# Altium PCB AD9434-500.PcbDoc (part 1 of 2) (continued)
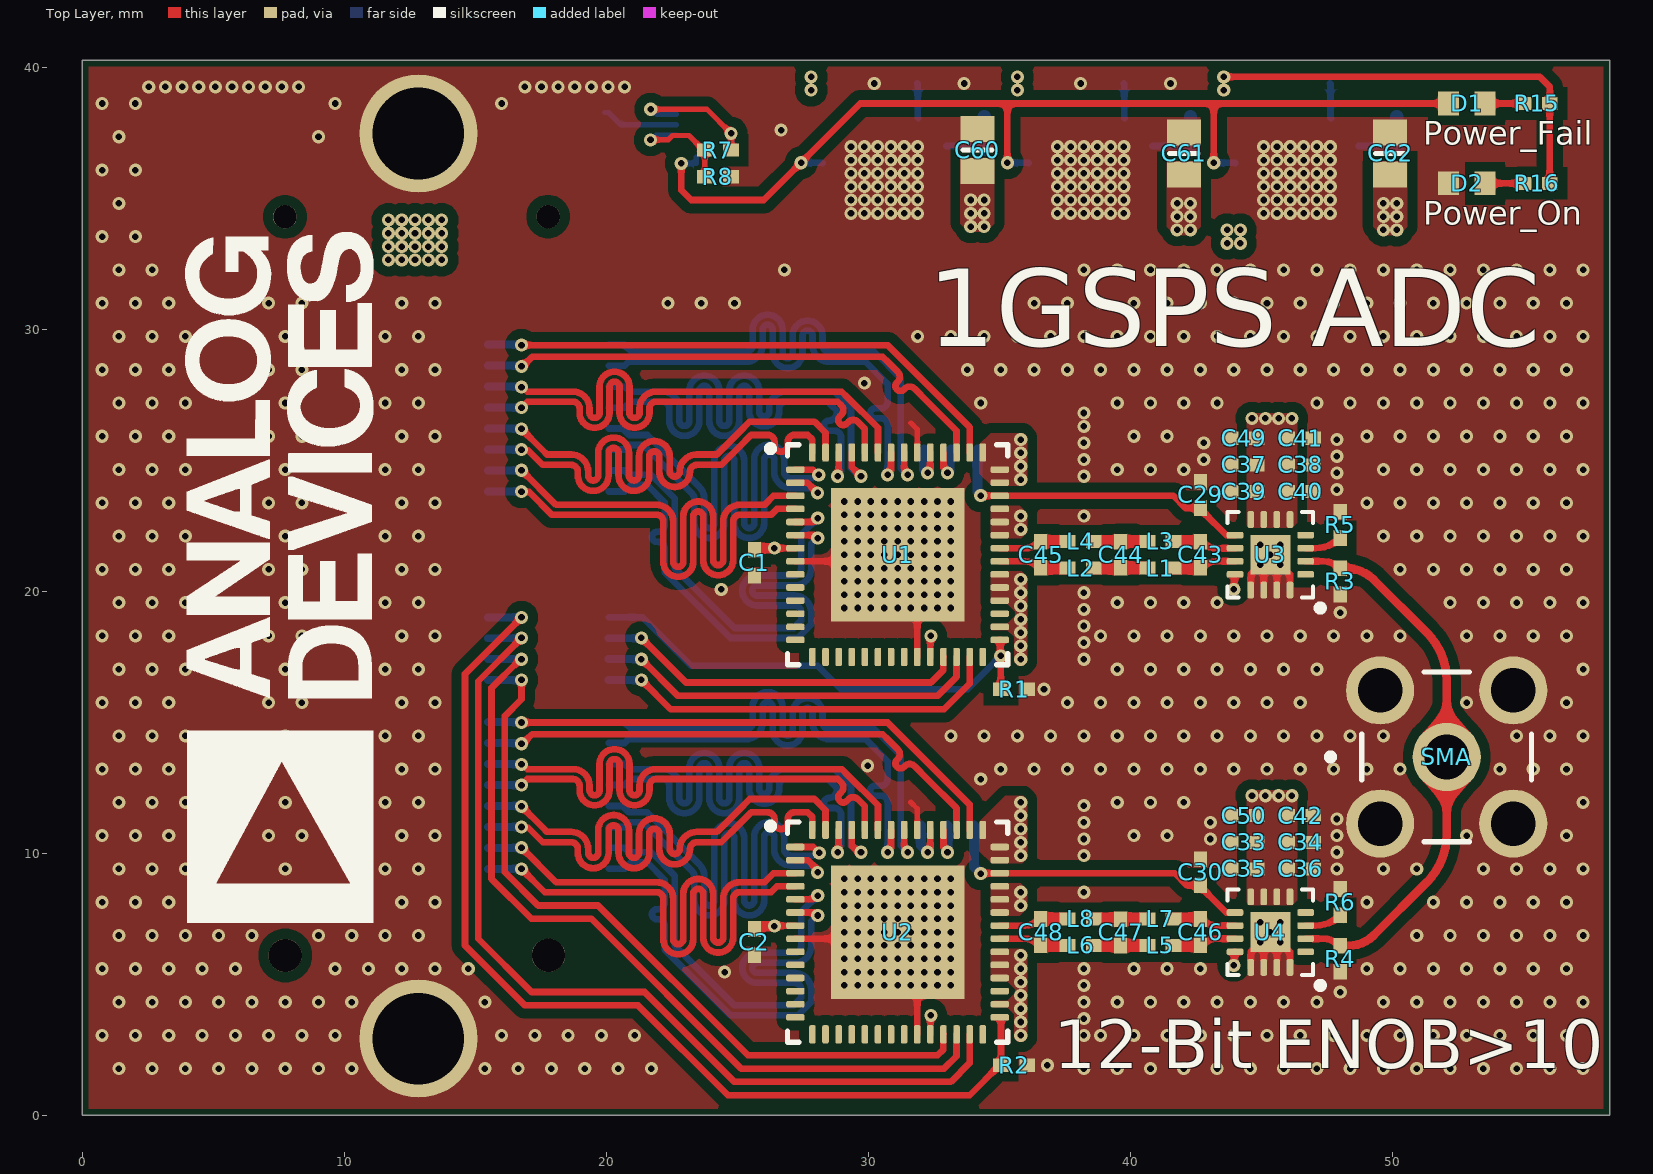
[diagram p0: Top Layer view]
## Footprints (in the part's own frame and the unit in brackets; to place one, negate y for a bottom-side part, rotate by r counter-clockwise, add the part's x,y. Pads: shape width x height; smd on the part's side, far side on the other; paste and mask are expansions set on the pad)
6-0805_L [mm] "Chip Resistor, Body 2.0x1.2mm, IPC High Density"
  rect 1x1.3 smd: 1(-0.8,0) 2(0.8,0)
  silkscreen extent 0,-0.55 0,0.55, body extent -1.07,-0.7 1.07,0.7, height 0.7
0402 [mm] "Chip Capacitor, Body 1.0x0.5mm, IPC High Density"
  rect 0.6x0.5 smd: 1(-0.5,0) 2(0.5,0)
  body extent -0.55,-0.3 0.55,0.3, height 1.3
1608[0603] [mm] "Chip Capacitor, Body 1.6x0.8mm, IPC High Density"
  rect 0.8x0.9 smd: 1(-0.7,0) 2(0.7,0)
  body extent -0.87,-0.48 0.87,0.48, height 1.3
CONN_5177984-2_TYC [mil]
  rect 12x60 smd: 1(0,-3.94) 2(31.5,-3.94) 3(62.99,-3.94) 4(94.49,-3.94) 5(125.98,-3.94) 6(157.48,-3.94) 7(188.98,-3.94) 8(220.47,-3.94) 9(251.97,-3.94) 10(283.46,-3.94) 11(314.96,-3.94) 12(346.46,-3.94) 13(377.95,-3.94) 14(409.45,-3.94) 15(440.94,-3.94) 16(472.44,-3.94) 17(503.94,-3.94) 18(535.43,-3.94) 19(566.93,-3.94) 20(598.43,-3.94) 21(629.92,-3.94) 22(661.42,-3.94) 23(692.91,-3.94) 24(724.41,-3.94) 25(755.91,-3.94) 26(787.4,-3.94) 27(818.9,-3.94) 28(850.39,-3.94) 29(881.89,-3.94) 30(913.39,-3.94) 31(0,177.17) 32(31.5,177.17) 33(62.99,177.17) 34(94.49,177.17) 35(125.98,177.17) 36(157.48,177.17) 37(188.98,177.17) 38(220.47,177.17) 39(251.97,177.17) 40(283.46,177.17) 41(314.96,177.17) 42(346.46,177.17) 43(377.95,177.17) 44(409.45,177.17) 45(440.94,177.17) 46(472.44,177.17) 47(503.94,177.17) 48(535.43,177.17) 49(566.93,177.17) 50(598.43,177.17) 51(629.92,177.17) 52(661.42,177.17) 53(692.91,177.17) 54(724.41,177.17) 55(755.91,177.17) 56(787.4,177.17) 57(818.9,177.17) 58(850.39,177.17) 59(881.89,177.17) 60(913.39,177.17)
  round 35 hole 35 unplated mask+4: 61(-98,87)
  round 50 hole 50 unplated mask+4: 62(1011.69,86.61)
  silkscreen extent -135,-36 1048,210, body extent -130,-31 1043,205, height 182
CP-56-5_L [mm] "QFN, 56-Leads, Body 8x8mm, Pitch 0.5mm, Thermal Pad 5x5mm, IPC High Density"
  rrect50% 0.7x0.25 smd mask+0.051: 1(-3.9,3.25) 2(-3.9,2.75) 3(-3.9,2.25) 4(-3.9,1.75) 5(-3.9,1.25) 6(-3.9,0.75) 7(-3.9,0.25) 8(-3.9,-0.25) 9(-3.9,-0.75) 10(-3.9,-1.25) 11(-3.9,-1.75) 12(-3.9,-2.25) 13(-3.9,-2.75) 14(-3.9,-3.25) 29(3.9,-3.25) 30(3.9,-2.75) 31(3.9,-2.25) 32(3.9,-1.75) 33(3.9,-1.25) 34(3.9,-0.75) 35(3.9,-0.25) 36(3.9,0.25) 37(3.9,0.75) 38(3.9,1.25) 39(3.9,1.75) 40(3.9,2.25) 41(3.9,2.75) 42(3.9,3.25)
  rrect50% 0.25x0.7 smd mask+0.051: 15(-3.25,-3.9) 16(-2.75,-3.9) 17(-2.25,-3.9) 18(-1.75,-3.9) 19(-1.25,-3.9) 20(-0.75,-3.9) 21(-0.25,-3.9) 22(0.25,-3.9) 23(0.75,-3.9) 24(1.25,-3.9) 25(1.75,-3.9) 26(2.25,-3.9) 27(2.75,-3.9) 28(3.25,-3.9) 43(3.25,3.9) 44(2.75,3.9) 45(2.25,3.9) 46(1.75,3.9) 47(1.25,3.9) 48(0.75,3.9) 49(0.25,3.9) 50(-0.25,3.9) 51(-0.75,3.9) 52(-1.25,3.9) 53(-1.75,3.9) 54(-2.25,3.9) 55(-2.75,3.9) 56(-3.25,3.9)
  rect 5.1x5.1 smd mask+0.051: 57(0,0)
  silkscreen extent -4.97,-4.2 4.2,4.2, body extent -4.05,-4.05 4.05,4.05, height 1
CP_16_2_ADI-L [mil]
  rrect50% 25x10 smd paste+0 mask+0: 1(-53,29.53) 2(-53,9.84) 3(-53,-9.84) 4(-53,-29.53) 9(53,-29.53) 10(53,-9.84) 11(53,9.84) 12(53,29.53)
  rrect50% 10x25 smd paste+0 mask+0: 5(-29.53,-53) 6(-9.84,-53) 7(9.84,-53) 8(29.53,-53) 13(29.53,53) 14(9.84,53) 15(-9.84,53) 16(-29.53,53)
  rect 60x60 smd paste+0 mask+0: 17(0,0)
  silkscreen extent -80,-64 64,85, body extent -59,-59 59,59, height 39
FP-1053354-1-MFG [mm]
  round 2.6 hole 1.7 paste-1000 mask+0: 1(0,0) 2(-2.54,2.54) 3(2.54,2.54) 4(-2.54,-2.54) 5(2.54,-2.54)
  silkscreen extent -4.56,-3.24 3.24,3.24, body extent -3.94,-3.94 3.94,3.94, height 0.25
MPM3810GQB33Z [mm]
  rect 1.05x0.2 smd: 1(-1.025,0.7) 2(-1.025,0.3) 7(1.025,0.3) 8(1.025,0.7)
  rect 0.5x0.25 smd: 3(-1.3,-0.35) 4(-1.3,-1) 5(1.3,-1) 6(1.3,-0.35)
  rect 0.2x0.7 smd: 9(0.6,1.45) 10(0.2,1.45) 11(-0.2,1.45) 12(-0.6,1.45)
  rect 0.55x1.2 smd: 13(-0.775,-0.675) 14(0.775,-0.675)
  silkscreen extent -1.8,-1.5 1.25,1.5, body extent -1.25,-1.5 1.25,1.5, height 1.1
QFN65P500X500X100-21N [mm]
  rrect25% 0.85x0.34 smd: 1(-2.36,1.3) 2(-2.36,0.65) 3(-2.36,0) 4(-2.36,-0.65) 5(-2.36,-1.3) 11(2.36,-1.3) 12(2.36,-0.65) 13(2.36,0) 14(2.36,0.65) 15(2.36,1.3)
  rrect25% 0.34x0.85 smd: 6(-1.3,-2.36) 7(-0.65,-2.36) 8(0,-2.36) 9(0.65,-2.36) 10(1.3,-2.36) 16(1.3,2.36) 17(0.65,2.36) 18(0,2.36) 19(-0.65,2.36) 20(-1.3,2.36)
  rect 3.15x3.15 smd paste-3: 21(0,0)
  silkscreen extent -3.02,-2.5 2.5,2.5, body extent -2.5,-2.5 2.5,2.5, height 1

## Part data
C1 C2 C3 C4 C5 C6 C7 C8 C9 C10 C11 C12 C13 C14 C15 C16 C17 C18 C19 C20 C21 C22 C23 C24 C25 C26 C27 C28 C29 C30 C31 C32 C33 C34 C35 C36 C37 C38 C39 C40 C41 C42 C43 C44 C45 C46 C47 C48 C49 C50 C51 C52 C53 C54 C55 C56 C57 C58 C59 C60 C61 C62 C63 C64 C65 C66 C67 C68: library part CAP, "Capacitor", LatestRevisionDate=17-Jul-2002, LatestRevisionNote="Re-released for DXP Platform.", PackageReference=RAD-0.3, Published=8-Jun-2000, Publisher="Altium Limited"
D1 D2: library part LED0, "Typical INFRARED GaAs LED", LatestRevisionDate=08-Jul-2005, LatestRevisionNote="Mech Layer 1 removed.", PackageDescription="LED; 2 Leads", PackageReference=LED-0, Published=8-Jun-2000, Publisher="Altium Limited"
J1 J2: "No Description Available", Mfr_Name="TE Connectivity", Copyright="Copyright (C) 2022 Ultra Librarian. All rights reserved.", Manufacturer_Part_Number=5177984-2, RefDes=RefDes, Type=DEV
L1 L2 L3 L4 L5 L6 L7 L8: library part FB, "磁珠"
R1 R2 R3 R4 R5 R6 R7 R8 R9 R10 R11 R12 R13 R14 R15 R16: library part RES, "Resistor", Published=8-Jun-2000, Publisher="Altium Limited", Revision="July-2002: Re-released for DXP Platform."
SMA: library part CMP-2000-05830-2, "CONN SMA JACK STR 50 OHM PCB", Case/Package=SMA, Dielectric Material=PTFE, Frequency=18GHz, Housing Color=Gold, Max Frequency=12.4GHz, Operating Frequency=N/A, Package Quantity=125, Body Material="Stainless Steel", Body Plating=Gold, Center Contact Plating=Gold, Connector Type=SMA, Contact Material=Copper, Contact Plating=Gold, Depth=6.3mm, Fastening Type=Threaded, Gender=Female, Height=9.5mm, Impedance=50R, Insulation Material=Polytetrafluoroethylene, Length=9.53mm, Mating Cycles=500, Mount="Through Hole", Number of Ports=1, Orientation=Straight, Packaging=Bag, PCB Mounting Orientation=Vertical, Plating=Gold, Polarity=Normal, Radiation Hardening=No, REACH SVHC="No SVHC", RoHS Compliant=Yes, Series=SMA, Termination=Solder
U1 U2: library part CMP-0313-02358-2, "Single 12-Bit Analog-to-Digital Converter with Parallel Interface, 1.8 V, 500MSPS, -40 to +85 degC, CP-56-5, Pb-Free, Tray", Generic Part Number=AD9434-500, Manufacturer="Analog Devices", Channels=1, Code_JEDEC=MO-220-WLLD-2, ComponentLink1Description="Manufacturer URL", ComponentLink1URL=http://www.analog.com/en/index.html, ComponentLink2Description=Datasheet, ComponentLink2URL=http://www.analog.com/static/imported-files/data_sheets/AD9434.pdf, ComponentLink3Description="Package Specification", ComponentLink3URL=http://www.analog.com/static/imported-files/packages/PKG_PDF/LFCSP(CP)/CP-56/CP_56_5.pdf, ComponentLink4Description="Product URL", ComponentLink4URL=http://www.analog.com/en/analog-to-digital-converters/ad-converters/ad9434/products/product.html, DatasheetVersion=Rev.A, Interface=Par, Mounting Technology="Surface Mount", PackageDescription="56-Lead Lead Frame Chip Scale Package [LFCSP_VQ] 8 x 8 mm Body, Very Thin Quad", PackageReference=CP-56-5, PackageVersion=072709-A, Packing=Tray, PartNumber=AD9434BCPZ-500, Resolution (Bits)=12, RoHS=Y, Throughput Rate (SPS)=500M
U3 U4: "No Description Available", Mfr_Name="Analog Devices Inc", Copyright="Copyright (C) 2022 Ultra Librarian. All rights reserved.", Manufacturer_Part_Number=ADL5565, RefDes=RefDes, Type=DEV
U5: "Integrated Circuit", Manufacturer_Name="Monolithic Power Systems (MPS)", Mouser Part Number=946-MPM3810GQBP, Datasheet Link=https://www.monolithicpower.com/pub/media/document/MPM3810_r1.1.pdf, Height=1mm, Manufacturer_Part_Number=MPM3810GQB-P, Mouser Price/Stock=https://www.mouser.co.uk/ProductDetail/Monolithic-Power-Systems-MPS/MPM3810GQB-P?qs=QEkzKklKf2S%252BUubfiGImEA%3D%3D
U6 U7 U8: Package=None, Availability=Unavailable, MP=TPS74201RGWT, Price=None

## Free pads (board coordinates)
  round 4.5 hole 3.5 mask+0.102: 5(12.827,2.921) 5(12.827,37.465)

## Via types
v1: diameter 0.5, hole 0.25, Top Layer to Bottom Layer, tented both sides, 963 vias

## Nets (pads, with @x,y where several pads share a name; then routed paths per layer and width w, separated by ;. In a path a pad name is that pad's centre, name@x,y a point inside that pad or via, vN(x,y) a via of type N, cw(c..) or ccw(c..) an arc to the next point about the centre after c; other vN are vias at no path point)
+1.8_A: C7.1 C8.1 C9.1 C10.1 C11.1 C12.1 C13.1 C14.1 C15.1 C16.1 C17.1 C18.1 C19.1 C20.1 C21.1 C22.1 C23.1 C24.1 C25.1 C26.1 C61.1 R9.1 U1.30 U1.32 U1.33 U1.34 U1.37 U1.38 U1.39 U1.41 U1.42 U1.43 U1.46 U2.30 U2.32 U2.33 U2.34 U2.37 U2.38 U2.39 U2.41 U2.42 U2.43 U2.46 U6.1 U6.18 U6.19 U6.20 | length 3.8
  Top Layer w0.254: U2.46@32.865,10.885 32.867,10.883 32.867,10.226 33.02,10.073 v1(33.02,10.033) ; U1.46@32.865,25.287 32.867,25.285 32.867,24.704 33.02,24.551 v1(33.02,24.511) ; v1@35.774,4.191 v1@35.814,4.191
  Bottom Layer w0.381: v1(33.02,10.033) C19.1@33.02,11.057 ; v1(33.02,24.511) 33.02,24.516 33.088,24.584 33.088,25.349 C20.1@33.147,25.408
  other v1: 35.814,3.048 35.814,3.556 35.814,4.064 35.814,4.572 35.814,5.08 35.814,5.588 35.814,6.096 35.814,8.001 35.814,8.509 35.814,9.906 35.814,10.414 35.814,10.922 35.814,11.43 35.814,11.938 35.814,17.399 35.814,17.907 35.814,18.415 35.814,18.923 35.814,19.431 35.814,19.939 35.814,20.447 35.814,22.352 35.814,22.86 35.814,24.257 35.814,24.765 35.814,25.273 35.814,25.781 41.783,33.782 42.291,33.782 41.783,34.29 42.291,34.29 41.783,34.798 42.291,34.798
+1.8_D: C1.1 C2.1 C3.1 C4.1 C5.1 C6.1 C27.1 C28.1 C60.1 R11.1 U1.7 U1.24 U1.47 U2.7 U2.24 U2.47 U7.1 U7.18 U7.19 U7.20 | length 8.6
  Top Layer w0.254: v1(26.416,7.214) 26.435,7.233 27.213,7.233 U2.7@27.215,7.235 ; v1(26.416,21.641) 26.418,21.639 27.213,21.639 U1.7@27.215,21.637 ; v1(32.258,10.033) 32.258,10.073 32.365,10.18 U2.47@32.365,10.885 ; v1(32.258,24.511) 32.258,24.551 32.363,24.656 32.363,25.285 U1.47@32.365,25.287 ; U2.24@32.365,3.085 32.367,3.087 32.367,3.792 v1(32.385,3.81) ; U1.24@32.365,17.487 32.367,17.489 32.367,18.27 v1(32.385,18.288)
  Top Layer w0.381: C2.1@25.654,7.104 25.654,7.15 25.714,7.21 26.412,7.21 v1(26.416,7.214) ; C1.1@25.654,21.582 25.709,21.637 26.412,21.637 v1(26.416,21.641)
  Bottom Layer w0.381: C4.1@32.004,11.057 32.004,10.287 v1(32.258,10.033) ; C3.1@32.131,25.408 32.131,24.643 32.258,24.516 v1(32.258,24.511)
  other v1: 33.909,33.909 34.417,33.909 33.909,34.417 34.417,34.417 33.909,34.925 34.417,34.925
+2: C57.1 C58.1 R7.1 U5.5 U5.6 U5.12 U5.14 U6.5 U6.6 U6.7 U6.8 U7.5 U7.6 U7.7 U7.8 | length 5.8
  Top Layer w0.203: v1(21.694,38.387) 23.843,38.387 v1(24.765,37.465) 24.761,37.461 24.761,36.834 R7.1@24.757,36.83
  Bottom Layer w0.203: v1(21.694,38.387) 21.747,38.387 21.942,38.192 U5.12@22.68,38.192 ; v1(24.765,37.465) 24.765,36.857 U5.14@24.805,36.817
+4: C33.1 C34.1 C35.1 C36.1 C37.1 C38.1 C39.1 C40.1 C41.1 C42.1 C49.1 C50.1 C62.1 R13.1 U3.5 U3.6 U3.7 U3.8 U3.12 U4.5 U4.6 U4.7 U4.8 U4.12 U8.1 U8.18 U8.19 U8.20 | length 1.2
  Top Layer w0.254: v1(43.942,5.715) 43.967,5.74 43.967,6.235 U4.12@43.993,6.235 ; v1(43.942,20.066) 43.967,20.091 43.967,20.637 U3.12@43.993,20.637
  other v1: 44.64,12.192 45.148,12.192 45.657,12.192 46.164,12.192 44.64,26.594 45.148,26.594 45.657,26.594 46.164,26.594 49.657,33.782 50.165,33.782 49.657,34.29 50.165,34.29 49.657,34.798 50.165,34.798
+5: C52.1 C53.1 C54.1 C55.1 C56.1 C64.1 C65.1 C66.1 C67.1 C68.1 J1.1 J1.31 J2.1 J2.31 R15.1 R16.2 U5.7 U5.9 U6.10 U6.11 U7.10 U7.11 U8.5 U8.6 U8.7 U8.8 U8.10 U8.11 | length 16.3
  Top Layer w0.254: v1(43.561,39.624) 55.626,39.624 56.007,39.243 56.007,38.616 R15.1@55.999,38.608 R16.2@55.999,35.56
  other v1: 11.684,32.639 12.192,32.639 12.7,32.639 13.208,32.639 13.716,32.639 11.684,33.147 12.192,33.147 12.7,33.147 13.208,33.147 13.716,33.147 43.688,33.274 44.196,33.274 11.684,33.655 12.192,33.655 12.7,33.655 13.208,33.655 13.716,33.655 43.688,33.782 44.196,33.782 11.684,34.163 12.192,34.163 12.7,34.163 13.208,34.163 13.716,34.163 27.813,39.116 35.687,39.116 43.561,39.116 27.813,39.624 35.687,39.624
A_CLK_N: J2.35 U1.45 | length 20.6
  Top Layer w0.254: v1(16.764,28.575) 16.804,28.575 17.167,28.939 30.548,28.939 30.768,28.719 31.127,28.36 cw(c30.948,28.18) 31.127,28 31.091,27.964 ccw(c31.226,27.83) 31.091,27.695 ccw(c31.226,27.83) 31.361,27.695 31.397,27.731 cw(c31.576,27.551) 31.756,27.731 32.268,27.219 33.365,26.122 U1.45@33.365,25.287
  Bottom Layer w0.305: J2.35@15.49,28.603 16.736,28.603 v1(16.764,28.575)
A_CLK_P: J2.34 U1.44 | length 20.6
  Top Layer w0.254: v1(16.764,29.388) 30.734,29.388 33.865,26.257 U1.44@33.865,25.287
  Bottom Layer w0.305: J2.34@15.49,29.403 v1@16.749,29.403
  Bottom Layer w0.381: v1@16.757,29.395 v1(16.764,29.388)
A_CML: C29.1 C31.1 U1.40 U3.9 | length 12.1
  Top Layer w0.254: v1(34.29,23.647) 34.299,23.639 35.013,23.639 U1.40@35.015,23.637 41.641,23.637 42.105,23.173 C29.1@42.672,23.173 ; C29.1@42.673,23.122 C29.1@42.795,23 ; C29.1@42.795,22.999 43.657,22.137 U3.9@43.993,22.137
  Bottom Layer w0.381: C31.1@34.163,25.408 34.163,23.78 34.29,23.653 v1(34.29,23.647)
A_CSB: J2.20 U1.27 | length 15.7
  Top Layer w0.254: v1(21.336,16.612) 22.454,15.494 32.893,15.494 33.865,16.466 U1.27@33.865,17.487
  Bottom Layer w0.305: J2.20@20.09,16.601 21.325,16.601 v1(21.336,16.612)
A_D0/D6_N: J2.36 U1.51 | length 20.6
  Top Layer w0.254: v1(16.764,27.788) 16.804,27.788 16.981,27.61 17.646,27.61 18.726,27.61 cw(c18.726,26.975) 19.361,26.975 19.361,26.802 ccw(c19.551,26.802) 19.742,26.802 19.742,27.8 cw(c20.313,27.8) 20.885,27.8 20.885,26.802 ccw(c21.075,26.802) 21.266,26.802 21.266,26.975 cw(c21.901,26.975) 21.901,27.61 23.293,27.61 28.987,27.61 29.209,27.388 30.365,26.232 U1.51@30.365,25.287
  Bottom Layer w0.305: J2.36@15.49,27.803 v1@16.749,27.803
  Bottom Layer w0.381: v1@16.756,27.795 v1(16.764,27.788)
A_D0/D6_P: J2.37 U1.52 | length 20.7
  Top Layer w0.254: v1(16.764,27) 16.764,27.007 16.986,27.229 17.646,27.229 18.726,27.229 cw(c18.726,26.975) 18.98,26.975 18.98,26.802 ccw(c19.551,26.802) 20.123,26.802 20.123,27.8 cw(c20.313,27.8) 20.504,27.8 20.504,26.802 ccw(c21.075,26.802) 21.647,26.802 21.647,26.975 cw(c21.901,26.975) 21.901,27.229 23.293,27.229 28.617,27.229 28.829,27.229 28.97,27.088 cw(c28.791,26.908) 28.97,26.728 28.904,26.662 ccw(c29.039,26.527) 28.904,26.393 ccw(c29.039,26.527) 29.173,26.393 29.24,26.459 cw(c29.419,26.279) 29.599,26.459 29.865,26.193 29.865,25.726 U1.52@29.865,25.287
  Bottom Layer w0.305: J2.37@15.491,27.001 v1(16.764,27)
  Bottom Layer w0.381: v1(16.764,27) v1(16.764,27)
A_D1/D7_N: J2.6 U1.53 | length 20.9
  Top Layer w0.254: U1.53@29.365,25.287 29.365,24.737 v1(29.718,24.384)
  Bottom Layer w0.254: J2.6@20.09,27.803 20.699,27.803 20.892,27.61 21.071,27.61 22.151,27.61 cw(c22.151,26.975) 22.786,26.975 22.786,26.495 ccw(c22.976,26.495) 23.167,26.495 23.167,27.644 cw(c23.738,27.644) 24.31,27.644 24.31,26.495 ccw(c24.5,26.495) 24.691,26.495 24.691,27.644 cw(c25.262,27.644) 25.834,27.644 25.834,26.857 ccw(c26.024,26.857) 26.215,26.857 26.215,26.975 cw(c26.85,26.975) 26.85,27.61 28.384,27.61 28.702,27.61 29.337,26.975 29.337,24.689 29.464,24.562 29.474,24.562 29.651,24.384 v1(29.718,24.384)
A_D1/D7_P: J2.7 U1.54 | length 20.7
  Top Layer w0.254: v1(28.829,24.384) 28.865,24.42 U1.54@28.865,25.287
  Bottom Layer w0.254: J2.7@20.09,27.003 20.699,27.003 20.926,27.229 21.071,27.229 22.151,27.229 cw(c22.151,26.975) 22.405,26.975 22.405,26.495 ccw(c22.976,26.495) 23.548,26.495 23.548,27.644 cw(c23.738,27.644) 23.929,27.644 23.929,26.495 ccw(c24.5,26.495) 25.072,26.495 25.072,27.644 cw(c25.262,27.644) 25.453,27.644 25.453,26.857 ccw(c26.024,26.857) 26.596,26.857 26.596,26.975 cw(c26.85,26.975) 26.85,27.229 28.384,27.229 28.448,27.229 28.57,27.107 28.792,26.885 cw(c28.472,26.829) 28.491,26.504 ; 28.491,26.504 ccw(c28.491,26.313) 28.491,26.123 28.702,26.123 cw(c28.702,25.869) 28.956,25.869 28.956,24.689 28.956,24.578 28.829,24.451 v1(28.829,24.384)
A_D2/D8_N: J2.38 U1.55 | length 20.6
  Top Layer w0.254: v1(16.764,26.187) 17.556,25.395 17.739,25.212 18.659,25.212 cw(c18.659,24.562) 19.309,24.562 19.309,24.412 ccw(c19.5,24.412) 19.5,24.222 ccw(c19.5,24.412) 19.69,24.412 19.69,25.271 cw(c20.277,25.271) 20.277,25.858 cw(c20.277,25.271) 20.864,25.271 20.864,24.412 ccw(c21.054,24.412) 21.054,24.222 ccw(c21.054,24.412) 21.245,24.412 21.245,25.142 cw(c21.832,25.142) 21.832,25.729 cw(c21.832,25.142) 22.419,25.142 22.419,24.562 ccw(c22.609,24.562) 22.609,24.371 ccw(c22.609,24.562) 22.8,24.562 cw(c23.45,24.562) 23.45,25.212 24.22,25.212 25.058,26.05 25.474,26.467 27.94,26.467 28.365,26.042 U1.55@28.365,25.287
  Bottom Layer w0.305: J2.38@15.49,26.203 v1@16.749,26.203
  Bottom Layer w0.381: v1@16.756,26.195 v1(16.764,26.187)
A_D2/D8_P: J2.39 U1.56 | length 20.4
  Top Layer w0.254: v1(16.764,25.4) 16.792,25.372 17.019,25.372 17.556,24.835 17.575,24.816 18.659,24.816 cw(c18.659,24.562) 18.913,24.562 18.913,24.412 ccw(c19.5,24.412) 19.5,23.825 ccw(c19.5,24.412) 20.087,24.412 20.087,25.271 cw(c20.277,25.271) 20.277,25.462 cw(c20.277,25.271) 20.468,25.271 20.468,24.412 ccw(c21.054,24.412) 21.054,23.825 ccw(c21.054,24.412) 21.641,24.412 21.641,25.142 cw(c21.832,25.142) 21.832,25.332 cw(c21.832,25.142) 22.022,25.142 22.022,24.562 ccw(c22.609,24.562) 22.609,23.975 ccw(c22.609,24.562) 23.196,24.562 cw(c23.45,24.562) 23.45,24.816 24.384,24.816 25.058,25.489 25.527,25.959 26.162,25.959 cw(c26.162,25.705) 26.416,25.705 26.416,25.573 ccw(c26.67,25.573) 26.924,25.573 26.924,25.705 cw(c27.178,25.705) 27.178,25.959 27.686,25.959 27.863,25.782 27.863,25.289 U1.56@27.865,25.287
  Bottom Layer w0.305: J2.39@15.491,25.401 v1@16.763,25.401
  Bottom Layer w0.381: v1@16.763,25.401 v1(16.764,25.4)
A_D3/D9_N: J2.8 U1.1 | length 20.5
  Top Layer w0.254: U1.1@27.215,24.637 27.879,24.637 28.083,24.433 v1(28.107,24.433)
  Bottom Layer w0.254: J2.8@20.09,26.203 20.699,26.203 20.725,26.177 20.725,26.108 20.874,25.959 21.566,25.959 21.583,25.942 21.806,25.719 23.552,23.972 cw(c23.103,23.523) 23.738,23.523 23.738,22.597 ccw(c23.929,22.597) 23.929,22.407 ccw(c23.929,22.597) 24.119,22.597 24.119,24.971 cw(c24.691,24.971) 24.691,25.542 cw(c24.691,24.971) 25.262,24.971 25.262,22.597 ccw(c25.453,22.597) 25.453,22.407 ccw(c25.453,22.597) 25.643,22.597 25.643,25.02 cw(c26.215,25.02) 26.215,25.592 cw(c26.215,25.02) 26.786,25.02 26.786,24.562 ccw(c27.04,24.562) 27.04,24.308 27.871,24.308
A_D3/D9_P: J2.9 U1.2 | length 20.4
  Top Layer w0.254: U1.2@27.215,24.137 27.672,24.137 v1(28.063,23.745)
  Bottom Layer w0.254: J2.9@20.09,25.403 20.699,25.403 J2.9@20.725,25.428 ; J2.9@20.725,25.429 20.874,25.578 21.408,25.578 21.425,25.561 21.579,25.407 23.283,23.703 cw(c23.103,23.523) 23.357,23.523 23.357,22.597 ccw(c23.929,22.597) 23.929,22.026 ccw(c23.929,22.597) 24.5,22.597 24.5,24.971 cw(c24.691,24.971) 24.691,25.161 cw(c24.691,24.971) 24.881,24.971 24.881,22.597 ccw(c25.453,22.597) 25.453,22.026 ccw(c25.453,22.597) 26.024,22.597 26.024,25.02 cw(c26.215,25.02) 26.215,25.211 cw(c26.215,25.02) 26.405,25.02 26.405,24.562 ccw(c27.04,24.562) 27.04,23.927 27.871,23.927
A_D4/D10_N: J2.40 U1.3 | length 20.6
  Top Layer w0.254: v1(16.764,24.613) 18.085,23.292 20.84,23.292 21.92,23.292 cw(c21.92,22.657) 22.555,22.657 22.555,21.117 ccw(c22.745,21.117) 22.936,21.117 22.936,22.847 cw(c23.507,22.847) 24.079,22.847 24.079,21.179 ccw(c24.269,21.179) 24.46,21.179 24.46,22.657 cw(c25.095,22.657) 25.095,23.292 25.893,23.292 26.035,23.292 26.38,23.637 U1.3@27.215,23.637
  Bottom Layer w0.305: J2.40@15.49,24.603 v1@16.754,24.603
  Bottom Layer w0.381: v1@16.759,24.608 v1(16.764,24.613)
A_D4/D10_P: J2.41 U1.4 | length 20.4
  Top Layer w0.254: v1(16.764,23.8) 16.784,23.78 17.058,23.78 17.927,22.911 20.84,22.911 21.92,22.911 cw(c21.92,22.657) 22.174,22.657 22.174,21.117 ccw(c22.745,21.117) 23.317,21.117 23.317,22.847 cw(c23.507,22.847) 23.698,22.847 23.698,21.179 ccw(c24.269,21.179) 24.841,21.179 24.841,22.657 cw(c25.095,22.657) 25.095,22.911 25.893,22.911 26.289,22.911 26.515,23.137 U1.4@27.215,23.137
  Bottom Layer w0.305: J2.41@15.491,23.801 v1@16.763,23.801
  Bottom Layer w0.381: v1@16.763,23.801 v1(16.764,23.8)
A_D5/D11_N: J2.10 U1.5 | length 20.4
  Top Layer w0.254: U1.5@27.215,22.637 27.88,22.637 28.027,22.784 v1(28.067,22.784)
  Bottom Layer w0.254: J2.10@20.09,24.603 20.699,24.603 20.867,24.435 21.717,24.435 22.606,23.546 22.606,20.879 24.892,18.593 27.147,18.593 27.435,18.88 27.435,19.198 ccw(c27.181,19.198) 27.181,19.452 25.761,19.452 cw(c25.761,20.024) 25.19,20.024 cw(c25.761,20.024) 25.761,20.595 27.181,20.595 ccw(c27.181,20.849) 27.435,20.849 27.435,21.756 27.435,22.152 v1(28.067,22.784)
A_D5/D11_P: J2.11 U1.6 | length 20.7
  Top Layer w0.254: U1.6@27.215,22.137 27.912,22.137 28.027,22.022 v1(28.067,22.022)
  Bottom Layer w0.254: J2.11@20.09,23.803 20.699,23.803 20.951,24.054 21.559,24.054 22.225,23.388 22.225,23.022 22.225,22.514 cw(c21.971,22.514) 21.971,22.26 21.935,22.26 ccw(c21.935,22.07) 21.935,21.879 21.971,21.879 cw(c21.971,21.625) 22.225,21.625 22.225,20.865 22.225,20.721 24.734,18.212 27.305,18.212 27.816,18.723 27.816,18.88 27.816,19.198 ccw(c27.181,19.198) 27.181,19.833 25.761,19.833 cw(c25.761,20.024) 25.571,20.024 cw(c25.761,20.024) 25.761,20.214 27.181,20.214 ccw(c27.181,20.849) 27.816,20.849 27.816,21.756 27.816,21.8 28.038,22.022 v1(28.067,22.022)
A_DCO_N: J2.4 U1.49 | length 20.7
  Top Layer w0.254: U1.49@31.365,25.287 31.365,24.605 31.496,24.474 v1(31.496,24.435)
  Bottom Layer w0.254: J2.4@20.09,29.403 20.699,29.403 20.968,29.134 25.013,29.134 25.33,29.134 ccw(c25.33,29.388) 25.584,29.388 25.584,29.976 cw(c26.156,29.976) 26.727,29.976 26.727,29.082 ccw(c26.918,29.082) 27.108,29.082 27.108,29.75 cw(c27.68,29.75) 28.251,29.75 28.251,29.388 ccw(c28.505,29.388) 28.505,29.134 29.874,29.134 30.226,29.134 31.242,28.118 31.242,24.689 v1(31.496,24.435)
A_DCO_P: J2.5 U1.50 | length 20.7
  Top Layer w0.254: v1(30.734,24.435) 30.734,24.474 30.865,24.605 U1.50@30.865,25.287
  Bottom Layer w0.254: J2.5@20.09,28.603 20.699,28.603 20.85,28.753 25.013,28.753 25.33,28.753 ccw(c25.33,29.388) 25.965,29.388 25.965,29.976 cw(c26.156,29.976) 26.346,29.976 26.346,29.082 ccw(c26.918,29.082) 27.489,29.082 27.489,29.75 cw(c27.68,29.75) 27.87,29.75 27.87,29.388 ccw(c28.505,29.388) 28.505,28.753 29.874,28.753 29.889,28.753 30.734,27.907 30.734,27.737 30.734,27.229 cw(c30.48,27.229) 30.48,26.975 30.26,26.975 ccw(c30.26,26.784) 30.26,26.594 30.48,26.594 cw(c30.48,26.34) 30.734,26.34 30.734,25.578 v1(30.734,24.435)
A_IN_N: C45.2 L4.2 U1.36 | length 2.7
  Top Layer w0.254: U1.36@35.015,21.637 35.972,21.637 ccw(c35.972,22.49) C45.2@36.576,21.887 C45.2@36.584,21.895
  Top Layer w0.483: C45.2@36.584,21.895 L4.2@37.6,21.895
A_IN_P: C45.1 L2.2 U1.35 | length 2.7
  Top Layer w0.254: U1.35@35.015,21.137 35.972,21.137 cw(c35.972,20.283) C45.1@36.576,20.887 C45.1@36.584,20.879
  Top Layer w0.483: C45.1@36.584,20.879 L2.2@37.6,20.879
A_PWDN: J2.17 R1.2 U1.29 | length 18.5
  Top Layer w0.254: U1.29@35.015,18.137 35.032,18.137 35.034,18.135 35.034,17.544 v1(35.052,17.526) 35.056,17.522 35.056,16.26 R1.2@35.06,16.256
  Bottom Layer w0.254: J2.17@20.09,19.001 21.385,19.001 23.241,17.145 28.067,17.145 28.956,16.256 33.782,16.256 v1(35.052,17.526)
A_SCLK: J2.19 U1.26 | length 14.9
  Top Layer w0.254: v1(21.336,17.399) 22.733,16.002 32.639,16.002 33.365,16.728 U1.26@33.365,17.487
  Bottom Layer w0.305: J2.19@20.09,17.401 21.334,17.401 v1(21.336,17.399)
A_SDIO: J2.18 U1.25 | length 14.2
  Top Layer w0.254: v1(21.336,18.212) 23.038,16.51 32.385,16.51 32.863,16.988 32.863,17.485 U1.25@32.865,17.487
  Bottom Layer w0.305: J2.18@20.09,18.201 21.325,18.201 v1(21.336,18.212)
ANALOG_IN: R3.1 R4.1 SMA.1 U3.2 U4.2 | length 21.2
  Top Layer w0.254: U4.2@46.685,6.735 47.364,6.735 cw(c47.364,5.827) R4.1@48.006,6.469 ; U3.2@46.685,21.137 47.364,21.137 cw(c47.364,20.229) R3.1@48.006,20.871
  Top Layer w0.33: R4.1@48.006,6.469 48.337,6.469 ccw(c48.337,7.797) 49.276,6.858 51.326,8.908 ccw(c49.53,10.704) 52.07,10.704 SMA.1@52.07,13.67 52.07,16.601 ccw(c49.53,16.601) 51.326,18.397 49.276,20.447 ccw(c48.253,19.424) 48.253,20.871 R3.1@48.006,20.871
B_CLK_N: J2.53 U2.45 | length 20.6
  Top Layer w0.254: v1(16.764,14.173) 16.804,14.173 17.167,14.537 30.548,14.537 30.768,14.317 31.127,13.958 cw(c30.948,13.778) 31.127,13.599 31.091,13.563 ccw(c31.226,13.428) 31.091,13.293 ccw(c31.226,13.428) 31.361,13.293 31.397,13.329 cw(c31.576,13.15) 31.756,13.329 32.268,12.817 33.365,11.72 U2.45@33.365,10.885
  Bottom Layer w0.305: J2.53@15.49,14.201 16.736,14.201 v1(16.764,14.173)
B_CLK_P: J2.52 U2.44 | length 20.6
  Top Layer w0.254: v1(16.764,14.986) 30.734,14.986 33.865,11.855 U2.44@33.865,10.885
  Bottom Layer w0.305: J2.52@15.49,15.001 v1@16.749,15.001
  Bottom Layer w0.381: v1@16.757,14.993 v1(16.764,14.986)
B_CML: C30.1 C32.1 U2.40 U4.9 | length 12.3
  Top Layer w0.254: v1(34.29,9.22) 34.303,9.233 35.013,9.233 U2.40@35.015,9.235 41.692,9.235 42.156,8.771 C30.1@42.672,8.771 ; C30.1@42.647,8.746 43.658,7.735 U4.9@43.993,7.735
  Bottom Layer w0.381: C32.1@34.036,11.057 34.036,9.479 34.29,9.225 v1(34.29,9.22)
B_CSB: J2.48 U2.27 | length 35.9
  Top Layer w0.254: v1(16.764,18.212) 15.113,16.561 15.113,6.731 17.145,4.699 21.463,4.699 24.892,1.27 33.147,1.27 33.865,1.988 U2.27@33.865,3.085
  Bottom Layer w0.305: J2.48@15.49,18.201 16.753,18.201 v1(16.764,18.212)
B_D0/D6_N: J2.54 U2.51 | length 20.6
  Top Layer w0.254: v1(16.764,13.386) 16.804,13.386 16.981,13.208 17.646,13.208 18.726,13.208 cw(c18.726,12.573) 19.361,12.573 19.361,12.4 ccw(c19.551,12.4) 19.742,12.4 19.742,13.399 cw(c20.313,13.399) 20.885,13.399 20.885,12.4 ccw(c21.075,12.4) 21.266,12.4 21.266,12.573 cw(c21.901,12.573) 21.901,13.208 23.293,13.208 28.987,13.208 29.209,12.986 30.365,11.83 U2.51@30.365,10.885
  Bottom Layer w0.305: J2.54@15.49,13.401 v1@16.749,13.401
  Bottom Layer w0.381: v1@16.756,13.393 v1(16.764,13.386)
B_D0/D6_P: J2.55 U2.52 | length 20.7
  Top Layer w0.254: v1(16.764,12.598) 16.764,12.605 16.986,12.827 17.646,12.827 18.726,12.827 cw(c18.726,12.573) 18.98,12.573 18.98,12.4 ccw(c19.551,12.4) 20.123,12.4 20.123,13.399 cw(c20.313,13.399) 20.504,13.399 20.504,12.4 ccw(c21.075,12.4) 21.647,12.4 21.647,12.573 cw(c21.901,12.573) 21.901,12.827 23.293,12.827 28.617,12.827 28.829,12.827 28.97,12.686 cw(c28.791,12.506) 28.97,12.327 28.904,12.26 ccw(c29.039,12.126) 28.904,11.991 ccw(c29.039,12.126) 29.173,11.991 29.24,12.057 cw(c29.419,11.878) 29.599,12.057 29.865,11.791 29.865,11.324 U2.52@29.865,10.885
  Bottom Layer w0.305: J2.55@15.491,12.6 v1(16.764,12.598)
  Bottom Layer w0.381: v1(16.764,12.598) v1(16.764,12.598)
B_D1/D7_N: J2.24 U2.53 | length 21
  Top Layer w0.254: U2.53@29.365,10.885 29.365,10.259 29.392,10.259 29.618,10.033 v1(29.718,10.033)
  Bottom Layer w0.254: J2.24@20.09,13.401 20.699,13.401 20.892,13.208 21.071,13.208 22.151,13.208 cw(c22.151,12.573) 22.786,12.573 22.786,12.093 ccw(c22.976,12.093) 23.167,12.093 23.167,13.242 cw(c23.738,13.242) 24.31,13.242 24.31,12.093 ccw(c24.5,12.093) 24.691,12.093 24.691,13.242 cw(c25.262,13.242) 25.834,13.242 25.834,12.455 ccw(c26.024,12.455) 26.215,12.455 26.215,12.573 cw(c26.85,12.573) 26.85,13.208 28.384,13.208 28.702,13.208 29.337,12.573 29.337,10.287 29.364,10.287 29.618,10.033 v1(29.718,10.033)
B_D1/D7_P: J2.25 U2.54 | length 20.6
  Top Layer w0.254: v1(28.829,10.033) 28.863,10.067 28.863,10.883 U2.54@28.865,10.885
  Bottom Layer w0.254: J2.25@20.09,12.601 20.699,12.601 20.926,12.827 21.071,12.827 22.151,12.827 cw(c22.151,12.573) 22.405,12.573 22.405,12.093 ccw(c22.976,12.093) 23.548,12.093 23.548,13.242 cw(c23.738,13.242) 23.929,13.242 23.929,12.093 ccw(c24.5,12.093) 25.072,12.093 25.072,13.242 cw(c25.262,13.242) 25.453,13.242 25.453,12.455 ccw(c26.024,12.455) 26.596,12.455 26.596,12.573 cw(c26.85,12.573) 26.85,12.827 28.384,12.827 28.448,12.827 28.57,12.705 28.792,12.483 cw(c28.472,12.427) 28.491,12.102 ; 28.491,12.102 ccw(c28.491,11.912) 28.491,11.721 28.702,11.721 cw(c28.702,11.467) 28.956,11.467 28.956,10.287 28.829,10.16 v1(28.829,10.033)
B_D2/D8_N: J2.56 U2.55 | length 20.6
  Top Layer w0.254: v1(16.764,11.786) 17.556,10.994 17.739,10.81 18.659,10.81 cw(c18.659,10.16) 19.309,10.16 19.309,10.01 ccw(c19.5,10.01) 19.5,9.82 ccw(c19.5,10.01) 19.69,10.01 19.69,10.87 cw(c20.277,10.87) 20.277,11.457 cw(c20.277,10.87) 20.864,10.87 20.864,10.01 ccw(c21.054,10.01) 21.054,9.82 ccw(c21.054,10.01) 21.245,10.01 21.245,10.74 cw(c21.832,10.74) 21.832,11.327 cw(c21.832,10.74) 22.419,10.74 22.419,10.16 ccw(c22.609,10.16) 22.609,9.969 ccw(c22.609,10.16) 22.8,10.16 cw(c23.45,10.16) 23.45,10.81 24.22,10.81 25.058,11.648 25.474,12.065 27.94,12.065 28.365,11.64 U2.55@28.365,10.885
  Bottom Layer w0.305: J2.56@15.49,11.801 v1@16.749,11.801
  Bottom Layer w0.381: v1@16.756,11.793 v1(16.764,11.786)